# KiCad board nuevo5.kicad_pcb (continued)
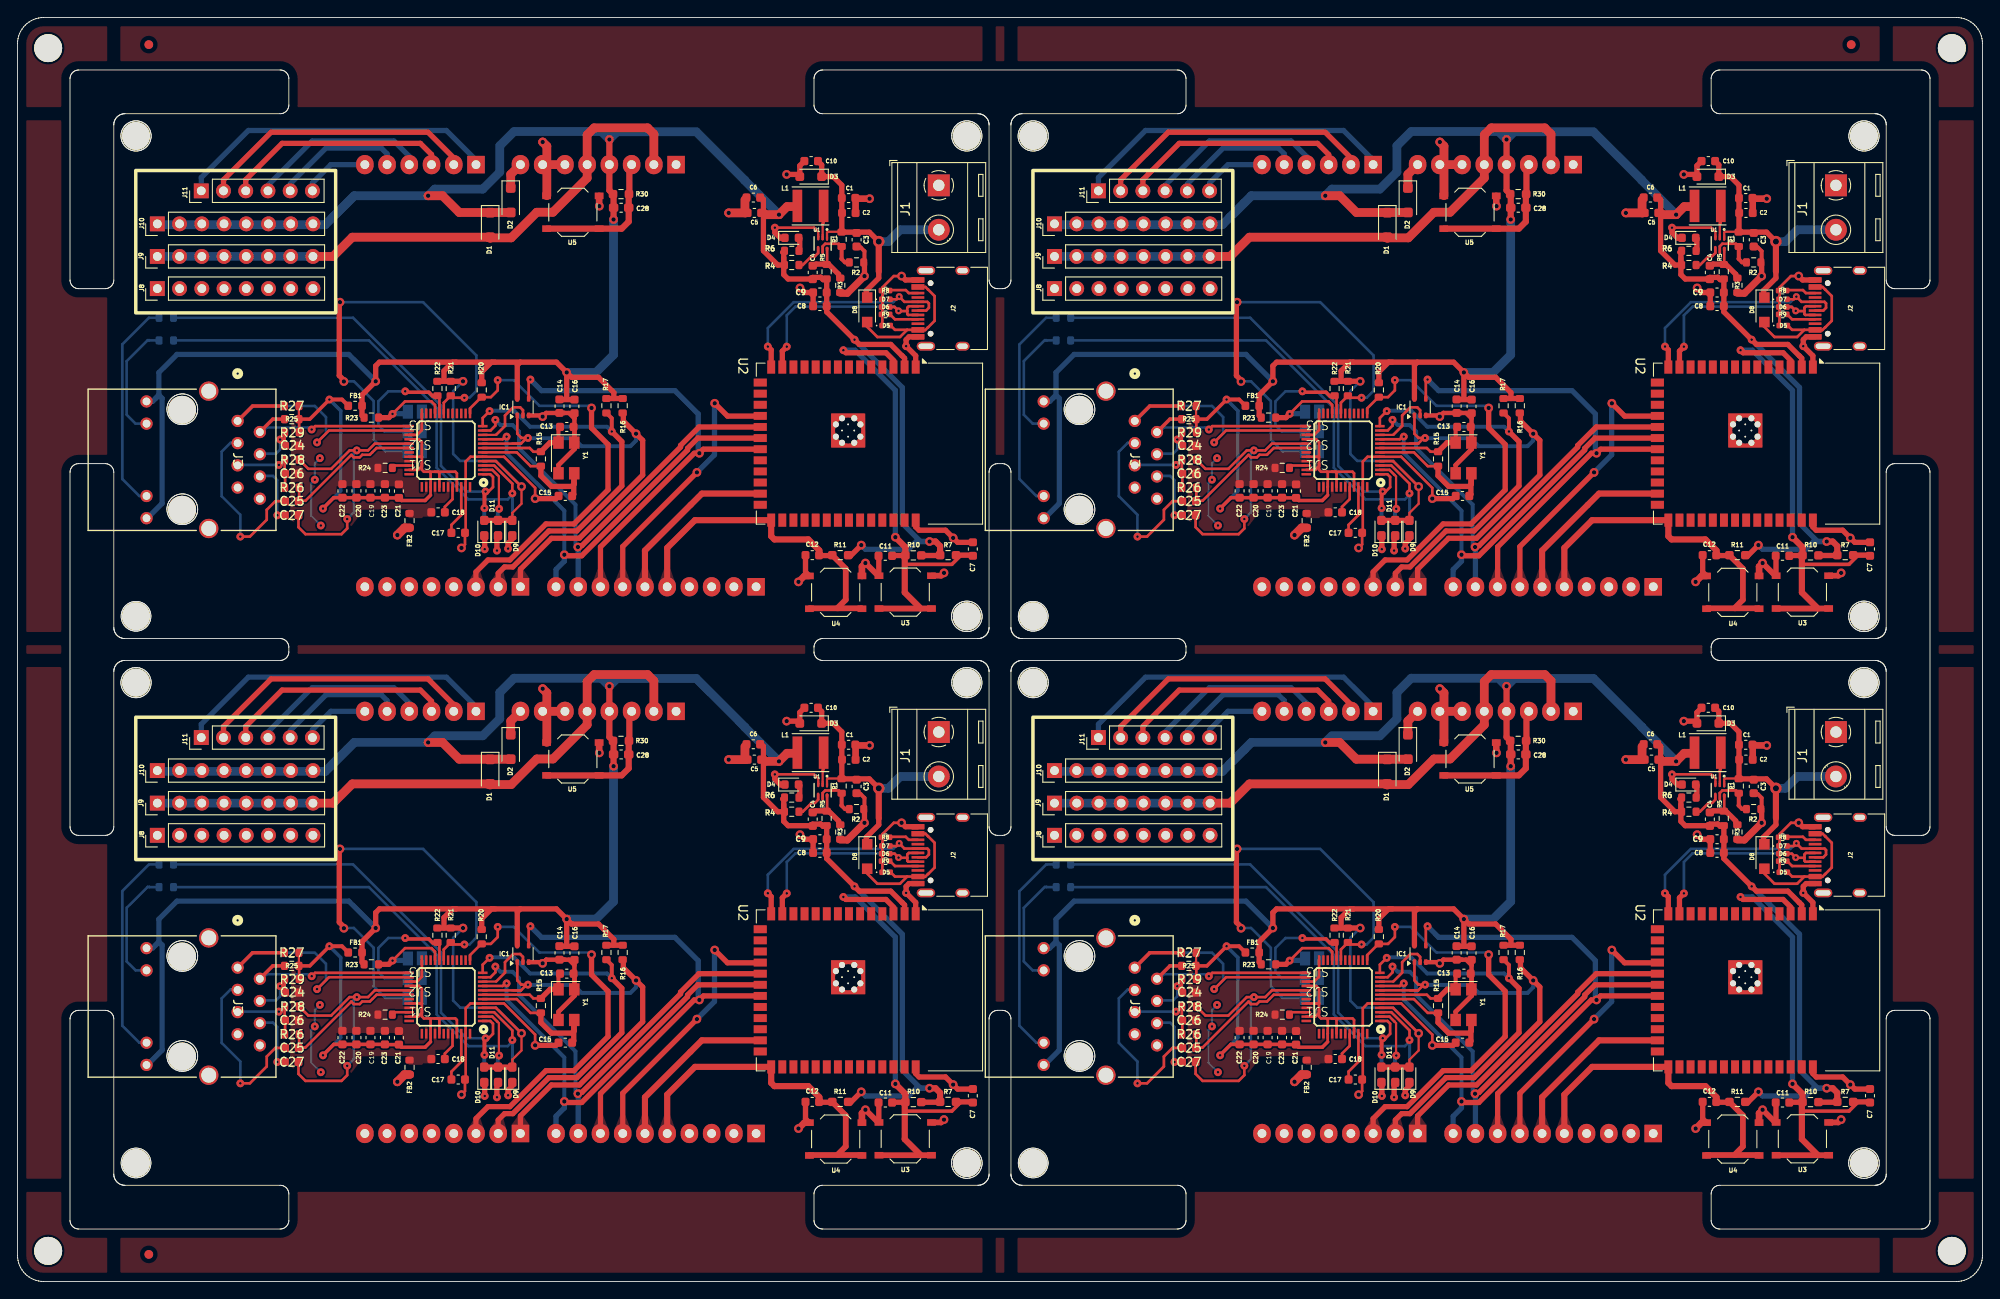
[diagram p0: board, top side]
## Placement (name value [footprint] x y rotation side) (continued)
R23#3  10K  [R_0603_1608Metric]  142.92 98.76 0 top
R23#4  10K  [R_0603_1608Metric]  40.42 36.26 0 top
R24  12.4K  [R_0603_1608Metric]  144.5 30.51 180 top
R24#2  12.4K  [R_0603_1608Metric]  144.5 93.01 180 top
R24#3  12.4K  [R_0603_1608Metric]  42 93.01 180 top
R24#4  12.4K  [R_0603_1608Metric]  42 30.51 180 top
R25  49.9  [R_0603_1608Metric]  31.33 98.58 0 top
R25#2  49.9  [R_0603_1608Metric]  31.33 36.08 0 top
R25#3  49.9  [R_0603_1608Metric]  133.83 36.08 0 top
R25#4  49.9  [R_0603_1608Metric]  133.83 98.58 0 top
R26  49.9  [R_0603_1608Metric]  133.85 28.25 0 top
R26#2  49.9  [R_0603_1608Metric]  133.85 90.75 0 top
R26#3  49.9  [R_0603_1608Metric]  31.35 28.25 0 top
R26#4  49.9  [R_0603_1608Metric]  31.35 90.75 0 top
R27  49.9  [R_0603_1608Metric]  133.83 100.08 0 top
R27#2  49.9  [R_0603_1608Metric]  31.33 100.08 0 top
R27#3  49.9  [R_0603_1608Metric]  31.33 37.58 0 top
R27#4  49.9  [R_0603_1608Metric]  133.83 37.58 0 top
R28  49.9  [R_0603_1608Metric]  31.35 93.95 0 top
R28#2  49.9  [R_0603_1608Metric]  31.35 31.45 0 top
R28#3  49.9  [R_0603_1608Metric]  133.85 93.95 0 top
R28#4  49.9  [R_0603_1608Metric]  133.85 31.45 0 top
R29  10  [R_0603_1608Metric]  31.35 97.08 0 top
R29#2  10  [R_0603_1608Metric]  133.85 97.08 0 top
R29#3  10  [R_0603_1608Metric]  133.85 34.58 0 top
R29#4  10  [R_0603_1608Metric]  31.35 34.58 0 top
R30  10K  [R_0603_1608Metric_Pad0.98x0.95mm_HandSolder]  171.45 124.31 180 top
R30#2  10K  [R_0603_1608Metric_Pad0.98x0.95mm_HandSolder]  68.95 124.31 180 top
R30#3  10K  [R_0603_1608Metric_Pad0.98x0.95mm_HandSolder]  171.45 61.81 180 top
R30#4  10K  [R_0603_1608Metric_Pad0.98x0.95mm_HandSolder]  68.95 61.81 180 top
SJ1  SOLDERJUMPERREFLOW_NOPASTE  [Jumper]  43.8 93.96 180 top
SJ1#2  SOLDERJUMPERREFLOW_NOPASTE  [Jumper]  146.3 31.46 180 top
SJ1#3  SOLDERJUMPERREFLOW_NOPASTE  [Jumper]  43.8 31.46 180 top
SJ1#4  SOLDERJUMPERREFLOW_NOPASTE  [Jumper]  146.3 93.96 180 top
SJ2  SOLDERJUMPERREFLOW_NOPASTE  [Jumper]  43.8 96.24 180 top
SJ2#2  SOLDERJUMPERREFLOW_NOPASTE  [Jumper]  43.8 33.74 180 top
SJ2#3  SOLDERJUMPERREFLOW_NOPASTE  [Jumper]  146.3 96.24 180 top
SJ2#4  SOLDERJUMPERREFLOW_NOPASTE  [Jumper]  146.3 33.74 180 top
SJ3  SOLDERJUMPERREFLOW_NOPASTE  [Jumper]  146.33 98.49 180 top
SJ3#2  SOLDERJUMPERREFLOW_NOPASTE  [Jumper]  146.33 35.99 180 top
SJ3#3  SOLDERJUMPERREFLOW_NOPASTE  [Jumper]  43.83 98.49 180 top
SJ3#4  SOLDERJUMPERREFLOW_NOPASTE  [Jumper]  43.83 35.99 180 top
U1  TPS563252DRLR  [SOT6_DRL_TEX-L]  91.99 118.66 270 top
U1#2  TPS563252DRLR  [SOT6_DRL_TEX-L]  91.99 56.16 270 top
U1#3  TPS563252DRLR  [SOT6_DRL_TEX-L]  194.49 56.16 270 top
U1#4  TPS563252DRLR  [SOT6_DRL_TEX-L]  194.49 118.66 270 top
U2  -  [ESP32-S3-WROOM-1]  97.36 95.78 270 top
U2#2  -  [ESP32-S3-WROOM-1]  97.36 33.28 270 top
U2#3  -  [ESP32-S3-WROOM-1]  199.86 95.78 270 top
U2#4  -  [ESP32-S3-WROOM-1]  199.86 33.28 270 top
U3  SWITCH  [SW_Push_1P1T_XKB_TS-1187A]  101.42 16.31 0 top
U3#2  SWITCH  [SW_Push_1P1T_XKB_TS-1187A]  203.92 78.81 0 top
U3#3  SWITCH  [SW_Push_1P1T_XKB_TS-1187A]  101.42 78.81 0 top
U3#4  SWITCH  [SW_Push_1P1T_XKB_TS-1187A]  203.92 16.31 0 top
U4  SWITCH  [SW_Push_1P1T_XKB_TS-1187A]  93.48 78.78 0 top
U4#2  SWITCH  [SW_Push_1P1T_XKB_TS-1187A]  195.97 16.28 0 top
U4#3  SWITCH  [SW_Push_1P1T_XKB_TS-1187A]  195.97 78.78 0 top
U4#4  SWITCH  [SW_Push_1P1T_XKB_TS-1187A]  93.48 16.28 0 top
U5  SWITCH  [SW_Push_1P1T_XKB_TS-1187A]  63.45 59.73 180 top
U5#2  SWITCH  [SW_Push_1P1T_XKB_TS-1187A]  165.95 122.23 180 top
U5#3  SWITCH  [SW_Push_1P1T_XKB_TS-1187A]  165.95 59.73 180 top
U5#4  SWITCH  [SW_Push_1P1T_XKB_TS-1187A]  63.45 122.23 180 top
U$1  -  [W5500]  48.95 95.53 180 top
U$1#2  -  [W5500]  48.95 33.03 180 top
U$1#3  -  [W5500]  151.45 33.03 180 top
U$1#4  -  [W5500]  151.45 95.53 180 top
Y1  25MHz  [Crystal_SMD_TXC_7M-4Pin_3.2x2.5mm]  62.6 32.1 270 top
Y1#2  25MHz  [Crystal_SMD_TXC_7M-4Pin_3.2x2.5mm]  165.1 94.6 270 top
Y1#3  25MHz  [Crystal_SMD_TXC_7M-4Pin_3.2x2.5mm]  62.6 94.6 270 top
Y1#4  25MHz  [Crystal_SMD_TXC_7M-4Pin_3.2x2.5mm]  165.1 32.1 270 top

## Library data of the parts
C1 C1#2-C1#4 C2 C2#2-C2#4 = -: Datasheet: https://mm.digikey.com/Volume0/opasdata/d220001/medias/docus/43/CL10X106MO8NRNC_Spec.pdf; Description: Unpolarized capacitor, small symbol; PartNumber: CL10X106MO8NRNC; PurchaseLink: https://www.digikey.com/en/products/detail/samsung-electro-mechanics/CL10X106MO8NRNC/5961253
C3 C3#2-C3#4 C6 C6#2-C6#4 = -: Datasheet: https://www.yageo.com/en/Chart/Download/pdf/CC0603KRX7R7BB104; Description: Unpolarized capacitor, small symbol; PartNumber: CC0603KRX7R7BB104; PurchaseLink: https://www.digikey.com/en/products/detail/yageo/CC0603KRX7R7BB104/302822
C4 C4#2-C4#4 = -: Datasheet: https://content.kemet.com/datasheets/KEM_C1007_X8R_ULTRA_150C_SMD.pdf; Description: Unpolarized capacitor, small symbol; PartNumber: C0603C560M3HACTU; PurchaseLink: https://www.digikey.com/en/products/detail/kemet/C0603C560M3HACTU/7947100
C5 C5#2-C5#4 = -: Datasheet: https://mm.digikey.com/Volume0/opasdata/d220001/medias/docus/339/CL21A226MAYNNNE_Spec.pdf; Description: Unpolarized capacitor, small symbol; PartNumber: GRM188R61A226ME15D; PurchaseLink: https://www.digikey.com/en/products/detail/murata-electronics/GRM188R61A226ME15D/5027561
C7 C7#2-C7#4 C9 C9#2-C9#4 C10 C10#2-C10#4 C11 C11#2-C11#4 C12 C12#2-C12#4 = -: Datasheet: https://mm.digikey.com/Volume0/opasdata/d220001/medias/docus/43/CL10X106MO8NRNC_Spec.pdf; Description: Unpolarized capacitor; PartNumber: CL10X106MO8NRNC; PurchaseLink: https://www.digikey.com/en/products/detail/samsung-electro-mechanics/CL10X106MO8NRNC/5961253
C8 C8#2-C8#4 = -: Datasheet: https://www.yageo.com/en/Chart/Download/pdf/CC0603KRX7R7BB104; Description: Unpolarized capacitor; PartNumber: CC0603KRX7R7BB104; PurchaseLink: https://www.digikey.com/en/products/detail/yageo/CC0603KRX7R7BB104/302822
C13 C13#2-C13#4 C15 C15#2-C15#4 = -: Datasheet: https://www.yageo.com/upload/media/product/productsearch/datasheet/mlcc/UPY-GP_NP0_16V-to-50V_18.pdf; PartNumber: C0603C220K4GACTU; PurchaseLink: https://www.digikey.com/en/products/detail/kemet/C0603C220K4GACTU/2200194
C14 C14#2-C14#4 C18 C18#2-C18#4 C23 C23#2-C23#4 = -: Datasheet: https://mm.digikey.com/Volume0/opasdata/d220001/medias/docus/43/CL10X106MO8NRNC_Spec.pdf; PartNumber: CL10X106MO8NRNC; PurchaseLink: https://www.digikey.com/en/products/detail/samsung-electro-mechanics/CL10X106MO8NRNC/5961253
C16 C16#2-C16#4 C17 C17#2-C17#4 C19 C19#2-C19#4 C20 C20#2-C20#4 C21 C21#2-C21#4 C22 C22#2-C22#4 = -: Datasheet: https://www.yageo.com/en/Chart/Download/pdf/CC0603KRX7R7BB104; PartNumber: CC0603KRX7R7BB104; PurchaseLink: https://www.digikey.com/en/products/detail/yageo/CC0603KRX7R7BB104/302822
C24 C24#2-C24#4 C26 C26#2-C26#4 = -: Datasheet: https://content.kemet.com/datasheets/KEM_C1090_X7R_ESD.pdf; PartNumber: C0603C103K4RECTU; PurchaseLink: https://www.digikey.de/en/products/detail/kemet/C0603C103K4RECTU/8643658
C25 C25#2-C25#4 C27 C27#2-C27#4 = -: Datasheet: https://datasheets.kyocera-avx.com/KGM_X7R.pdf; PartNumber: KGM15AR71C682KT; PurchaseLink: https://www.digikey.com/en/products/detail/kyocera-avx/KGM15AR71C682KT/1600629
C28 C28#2-C28#4 = -: Datasheet: https://search.murata.co.jp/Ceramy/image/img/A01X/G101/ENG/GRM1885C1H102JA01-01.pdf; Description: Unpolarized capacitor, small symbol; PartNumber: GRM1885C1H102JA01D; PurchaseLink: https://www.digikey.com/en/products/detail/murata-electronics/GRM1885C1H102JA01D/586943
D1 D1#2-D1#4 D2 D2#2-D2#4 = -: Datasheet: https://www.smc-diodes.com/propdf/DSS12U%20THRU%20DSS125U%20N1873%20REV.A.pdf; Description: Schottky diode, small symbol, filled shape; PurchaseLink: https://www.digikey.com/en/products/detail/smc-diode-solutions/DSS14U/8341859
D3 D3#2-D3#4 = -: Datasheet: https://www.diodes.com/assets/Datasheets/SD12C.pdf; Description: 12V, 450W Discrete Bidirectional TVS Diode, SOD-323; PurchaseLink: https://www.digikey.com/en/products/detail/diodes-incorporated/SD12C-7/10295728
D4 D4#2-D4#4 D9 D9#2-D9#4 D10 D10#2-D10#4 D11 D11#2-D11#4 = -: Datasheet: https://mm.digikey.com/Volume0/opasdata/d220001/medias/docus/3633/B1931NG--20D001114U1930.pdf; Description: Light emitting diode, small symbol, filled shape; PartNumber: B1931NG--20D001114U1930; PurchaseLink: https://www.digikey.com/en/products/detail/harvatek-corporation/B1931NG-20D001114U1930/15861262
D5 D5#2-D5#4 D6 D6#2-D6#4 D7 D7#2-D7#4 = -: Datasheet: https://www.onsemi.cn/pdf/datasheet/esd9b-d.pdf; Description: Bidirectional transient-voltage-suppression diode, filled shape; PartNumber: ESD9B5.0ST5G; PurchaseLink: https://www.digikey.com/en/products/detail/onsemi/ESD9B5-0ST5G/1646449
D8 D8#2-D8#4 = -: Datasheet: https://mm.digikey.com/Volume0/opasdata/d220001/medias/docus/6778/5399_1N5819WS%20SOD-323.PDF; Description: 40V 1A Schottky Barrier Rectifier Diode, DO-41; PartNumber: 1N5819WS; PurchaseLink: https://www.digikey.com/en/products/detail/shenzhen-slkormicro-semicon-co-ltd/1N5819WS/26112850?s=N4IgTCBcDaIIwDkCsAOOBOEBdAvkA
FB1 FB1#2-FB1#4 FB2 FB2#2-FB2#4 = -: Datasheet: https://www.bourns.com/docs/Product-Datasheets/mh.pdf; PartNumber: MH1608-121Y; PurchaseLink: https://www.digikey.de/en/products/detail/bourns-inc/mh1608-121y/2563311
IC1 IC1#2-IC1#4 = -: Datasheet: https://assets.nexperia.com/documents/data-sheet/74AHC_AHCT1G125.pdf; Description: Buffer, Non-Inverting 1 Element 1 Bit per Element 3-State Output SC-74A; NumPart: 1727-6018-2-ND; PartNumber: SN74AHC1G125DCKR; PurchaseLink: https://www.digikey.de/en/products/detail/texas-instruments/SN74AHC1G125DCKR/373804
J1 J1#2-J1#4 = -: Datasheet: http://www.anytek.com.tw/UserUpFiles/20180427/zGOy9cvjk1f5.pdf; Description: Generic screw terminal, single row, 01x02, script generated (kicad-library-utils/schlib/autogen/connector/); PartNumber: VI0221520000G; PurchaseLink: https://www.digikey.com/en/products/detail/amphenol-anytek/VI0221520000G/2261274
J2 J2#2-J2#4 = -: Datasheet: https://mm.digikey.com/Volume0/opasdata/d220001/medias/docus/5492/USB4105.pdf; Description: USB-C (USB TYPE-C) USB 3.2 Gen 1 (USB 3.1 Gen 1, Superspeed (USB 3.0)), USB 3.2 Gen 2 (USB 3.1 Gen 2, Superspeed+ (USB 3.1)) Receptacle Connector 16 Position Surface Mount, Right Angle; Through Hole; PartNumber: USB4105-GF-A; PurchaseLink: https://www.digikey.com/en/products/detail/gct/USB4105-GF-A/11198441
J3 J3#2-J3#4 = -: Datasheet: https://abracon.com/Magnetics/ARJM11.pdf; Description: 1 Port RJ45 Magjack Connector Through Hole 10/100 Base-T, AutoMDIX; PartNumber: ARJM11B1-009-AB-EW2; PurchaseLink: https://www.digikey.com/en/products/detail/abracon-llc/ARJM11B1-009-AB-EW2/7675231
J8 J8#2-J8#4 J9 J9#2-J9#4 J10 J10#2-J10#4 = -: Description: Generic connector, single row, 01x08, script generated (kicad-library-utils/schlib/autogen/connector/)
L1 L1#2-L1#4 = -: Datasheet: https://mm.digikey.com/Volume0/opasdata/d220001/medias/docus/2516/CIGT201610EH2R2MNE_Spec.pdf; Description: Inductor; PartNumber: PA4332.222NLT; PurchaseLink: https://www.digikey.com/en/products/detail/pulse-electronics/PA4332-222NLT/5878996
R1 R1#2-R1#4 = -: Datasheet: https://www.yageo.com/upload/media/product/app/datasheet/rchip/pyu-sr_20105_rohs_l.pdf; Description: Resistor, small symbol; PartNumber: SR0603FR-7T100KL; PurchaseLink: https://www.digikey.com/en/products/detail/yageo/SR0603FR-7T100KL/9373095
R2 R2#2-R2#4 = -: Datasheet: https://www.vishay.com/docs/20065/rcse3.pdf; Description: Resistor, small symbol; PartNumber: RCS060332K4FKEA; PurchaseLink: https://www.digikey.com/en/products/detail/vishay-dale/RCS060332K4FKEA/5868645
R3 R3#2-R3#4 R4 R4#2-R4#4 R30 R30#2-R30#4 = -: Datasheet: https://www.vishay.com/docs/20065/rcse3.pdf; Description: Resistor, small symbol; PartNumber: RCS060310K0JNEA; PurchaseLink: https://www.digikey.com/en/products/detail/vishay-dale/RCS060310K0JNEA/5866963?s=N4IgTCBcDaIKwBYCMBaMAOJB2FqByAIiALoC%2BQA
R5 R5#2-R5#4 = -: Datasheet: https://www.vishay.com/docs/20065/rcse3.pdf; Description: Resistor, small symbol; PartNumber: RCS0603220KFKEA; PurchaseLink: https://www.digikey.com/en/products/detail/vishay-dale/RCS0603220KFKEA/5868737
R6 R6#2-R6#4 R7 R7#2-R7#4 R10 R10#2-R10#4 R11 R11#2-R11#4 R12 R12#2-R12#4 R13 R13#2-R13#4 R14 R14#2-R14#4 = -: Datasheet: https://www.vishay.com/docs/20065/rcse3.pdf; Description: Resistor, small symbol; PartNumber: RCS06031K00FKEA; PurchaseLink: https://www.digikey.com/en/products/detail/vishay-dale/RCS06031K00FKEA/5866934
R8 R8#2-R8#4 = -: Datasheet: https://industrial.panasonic.com/cdbs/www-data/pdf/RDO0000/AOA0000C331.pdf; Description: Resistor; NumPart: ERJ-PA2F5101X; PurchaseLink: https://www.digikey.com/en/products/detail/panasonic-electronic-components/ERJ-PA2F5101X/9815254; LinkPart: https://www.digikey.com/en/products/detail/panasonic-electronic-components/ERJ-PA2F5101X/9815254; PartNumber: ERJ-PA2F5101X
R9 R9#2-R9#4 = -: Datasheet: https://industrial.panasonic.com/cdbs/www-data/pdf/RDO0000/AOA0000C331.pdf; Description: 5.1 kOhms ±1% 0.25W, 1/4W Chip Resistor 0402 (1005 Metric); NumPart: ERJ-PA2F5101X; PurchaseLink: https://www.digikey.com/en/products/detail/panasonic-electronic-components/ERJ-PA2F5101X/9815254; LinkPart: https://www.digikey.com/en/products/detail/panasonic-electronic-components/ERJ-PA2F5101X/9815254; PartNumber: ERJ-PA2F5101X
R15 R15#2-R15#4 = -: Datasheet: https://www.vishay.com/docs/20065/rcse3.pdf; PartNumber: RCS06031M00FKEA; PurchaseLink: https://www.digikey.de/en/products/detail/koa-speer-electronics-inc/RK73B2ATTD105J/10235908
R16 R16#2-R16#4 R17 R17#2-R17#4 R21 R21#2-R21#4 R22 R22#2-R22#4 R23 R23#2-R23#4 = -: Datasheet: https://www.vishay.com/docs/20065/rcse3.pdf; PartNumber: RCS060310K0JNEA; PurchaseLink: https://www.digikey.com/en/products/detail/vishay-dale/RCS060310K0JNEA/5866963?s=N4IgTCBcDaIKwBYCMBaMAOJB2FqByAIiALoC%2BQA
R18 R18#2-R18#4 R19 R19#2-R19#4 = -: Datasheet: https://www.vishay.com/docs/20065/rcse3.pdf; PartNumber: CRGP0603F470R; PurchaseLink: https://www.digikey.com/en/products/detail/te-connectivity-passive-product/CRGP0603F470R/8577014
R20 R20#2-R20#4 = -: Datasheet: https://www.vishay.com/docs/20065/rcse3.pdf; Description: Resistor; PartNumber: RCS060310K0JNEA; PurchaseLink: https://www.digikey.com/en/products/detail/vishay-dale/RCS060310K0JNEA/5866963?s=N4IgTCBcDaIKwBYCMBaMAOJB2FqByAIiALoC%2BQA
R24 R24#2-R24#4 = -: Datasheet: https://www.vishay.com/docs/20065/rcse3.pdf; PartNumber: RCS060312K4FKEA; PurchaseLink: https://www.digikey.de/en/products/detail/vishay-dale/RCS060312K4FKEA/5868602
R25 R25#2-R25#4 R26 R26#2-R26#4 R27 R27#2-R27#4 R28 R28#2-R28#4 = -: Datasheet: https://www.vishay.com/docs/20065/rcse3.pdf; PartNumber: RCS060349R9FKEA; PurchaseLink: https://www.digikey.de/en/products/detail/vishay-dale/RCS060349R9FKEA/5866930
R29 R29#2-R29#4 = -: Datasheet: https://www.vishay.com/docs/20065/rcse3.pdf; PartNumber: RCS060310R0FKEA; PurchaseLink: https://www.digikey.de/en/products/detail/vishay-dale/RCS060310R0FKEA/5866927
SJ1 SJ1#2-SJ1#4 SJ2 SJ2#2-SJ2#4 SJ3 SJ3#2-SJ3#4 = -: Description: Solder Jumper, 2-pole, open
U1 U1#2-U1#4 = -: Datasheet: https://www.ti.com/lit/ds/symlink/tps563252.pdf; PurchaseLink: https://www.digikey.com/en/products/detail/texas-instruments/TPS563252DRLR/20415402
U2 U2#2-U2#4 = -: Datasheet: https://www.espressif.com/sites/default/files/documentation/esp32-s3-wroom-1_wroom-1u_datasheet_en.pdf; Description: WiFi 802.11a/b/g/n, Bluetooth v5.0 Transceiver Module 2.4GHz PCB Trace; PartNumber: ESP32-S3-WROOM-1-N8; PurchaseLink: https://www.digikey.de/en/products/detail/espressif-systems/ESP32-S3-WROOM-1-N8/15200089
U3 U3#2-U3#4 U4 U4#2-U4#4 = -: Datasheet: https://www.ckswitches.com/media/2780/pts526.pdf; Description: PTS645SM43SMTR92LFS; PartNumber: PTS526SK15SMTR2 LFS; PurchaseLink: https://www.digikey.com/en/products/detail/c-k/PTS526SK15SMTR2-LFS/10056626
U5 U5#2-U5#4 = -: Datasheet: https://www.ckswitches.com/media/2780/pts526.pdf; Description: PTS526SK15SMTR2 LFS; PartNumber: PTS526SK15SMTR2 LFS; PurchaseLink: https://www.digikey.com/en/products/detail/c-k/PTS526SK15SMTR2-LFS/10056626
U$1 U$1#2-U$1#4 = -: Datasheet: https://docs.wiznet.io/img/products/w5500/W5500_ds_v110e.pdf; Description: Ethernet Controller 10/100 Base-T/TX PHY SPI Interface 48-LQFP (7x7); PurchaseLink: https://www.digikey.com/en/products/detail/wiznet/W5500/4425702
Y1 Y1#2-Y1#4 = -: Datasheet: https://abracon.com/Resonators/abm3b.pdf; Description: CRYSTAL 25MHZ -40 ~ +85C 22PF; NumPart: 3305-3225S42500BMDAODGEE-TR-ND; PartNumber: ABM3B-25.000MHZ-22-E-4-H-T; PurchaseLink: https://www.digikey.de/en/products/detail/hkc/3225S42500BMDAODGEE-TR/15292356?https://www.digikey.com/en/products/detail/abracon-llc/ABM3B-25-000MHZ-22-E-4-H-T/8582001

## Footprints (pads in the part's own frame, mm; a bottom-side part is the same pattern mirrored in y, then rotated)
C_0603_1608Metric
  rrect 0.9x0.95 smd: 1(-0.775,0) 2(0.775,0)
C_0603_1608Metric_Pad1.08x0.95mm_HandSolder
  rrect 1.075x0.95 smd: 1(-0.863,0) 2(0.863,0)
CONN12_ARJM11B1-009-AB-EW2_ABR
  round 3.2 hole 3.2 unplated: (-5.715,0) (5.715,0)
  round 1.397 hole 0.889: 1(-4.445,6.35) 2(-3.175,8.89) 3(-1.905,6.35) 4(-0.635,8.89) 5(0.635,6.35) 6(1.905,8.89) 7(3.175,6.35) 8(4.445,8.89) 9(-6.675,-4.06) 10(-4.135,-4.06) 11(4.135,-4.06) 12(6.675,-4.06)
  round 2.21 hole 1.702: 13(-7.85,3.05) 14(7.85,3.05)
Crystal_SMD_TXC_7M-4Pin_3.2x2.5mm
  rect 1.4x1.2 smd: 1(-1.3,-0.8) 2(2.2,-0.8) 3(2.2,1) 4(-1.3,1)
D_0402_1005Metric
  rrect 0.59x0.64 smd: 1(-0.485,0) 2(0.485,0)
D_SOD-123F
  rrect 1.1x1.1 smd: 1(-1.4,0) 2(1.4,0)
D_SOD-323_HandSoldering
  rrect 1x1 smd: 1(-1.25,0) 2(1.25,0)
ESP32-S3-WROOM-1
  rect 0.9x0.9 smd: (-2.9,-1.06) (-2.9,-2.46) (-2.9,-3.86) (-1.5,-1.06) (-1.5,-2.46) (-1.5,-3.86) (-0.1,-1.06) (-0.1,-2.46) (-0.1,-3.86)
  rect 1.5x0.9 smd: 1(-8.75,5.26) 2(-8.75,3.99) 3(-8.75,2.72) 4(-8.75,1.45) 5(-8.75,0.18) 6(-8.75,-1.09) 7(-8.75,-2.36) 8(-8.75,-3.63) 9(-8.75,-4.9) 10(-8.75,-6.17) 11(-8.75,-7.44) 12(-8.75,-8.71) 13(-8.75,-9.98) 14(-8.75,-11.25) 27(8.75,-11.25) 28(8.75,-9.98) 29(8.75,-8.71) 30(8.75,-7.44) 31(8.75,-6.17) 32(8.75,-4.9) 33(8.75,-3.63) 34(8.75,-2.36) 35(8.75,-1.09) 36(8.75,0.18) 37(8.75,1.45) 38(8.75,2.72) 39(8.75,3.99) 40(8.75,5.26)
  rect 0.9x1.5 smd: 15(-6.985,-12.5) 16(-5.715,-12.5) 17(-4.445,-12.5) 18(-3.175,-12.5) 19(-1.905,-12.5) 20(-0.635,-12.5) 21(0.635,-12.5) 22(1.905,-12.5) 23(3.175,-12.5) 24(4.445,-12.5) 25(5.715,-12.5) 26(6.985,-12.5)
  round 1 hole 0.7: 41(-2.9,-1.76) 41(-2.9,-3.16) 41(-2.2,-1.06) 41(-2.2,-3.86) 41(-0.8,-1.06) 41(-0.8,-3.86) 41(-0.1,-1.76) 41(-0.1,-3.16)
  round 0.6 hole 0.2: 41(-2.2,-2.46) 41(-1.5,-1.76) 41(-1.5,-3.16) 41(-0.8,-2.46)
  rect 3.9x3.9 smd: 41(-1.5,-2.46)
Fiducial
  round 1 smd: (0,0)
IND_PA4332.222NLT
  rect 1.1x3.7 smd: 1(-1.5,0) 2(1.5,0)
Jumper
  rect 1.168x1.6 smd far side: 1(-0.776,-0.942) 2(-2.376,-0.954)
L_0603_1608Metric
  rrect 0.875x0.95 smd: 1(-0.787,0) 2(0.787,0)
LED_0603_1608Metric
  rrect 0.875x0.95 smd: 1(-0.787,0) 2(0.787,0)
LED_0603_1608Metric_Pad1.05x0.95mm_HandSolder
  rrect 1.05x0.95 smd: 1(-0.875,0) 2(0.875,0)
MountingHole_3.2mm
  round 3.2 hole 3.2 unplated: (0,0)
Nexperia_CFP3_SOD-123W
  rect 1.2x1.2 smd: 1(-1.4,0) 2(1.4,0)
NPTH
  round 3.2 hole 3.2 unplated: (0,0)
PinHeader_1x06_P2.54mm_Vertical
  rect 1.7x1.7 hole 1: 1(0,0)
  oval 1.7x1.7 hole 1: 2(0,-2.54) 3(0,-5.08) 4(0,-7.62) 5(0,-10.16) 6(0,-12.7)
PinHeader_1x06_P2.54mm_Vertical#2
  rect 2x2 hole 1: 1(0,0)
  oval 2.2x2 hole 1: 2(0,-2.54) 3(0,-5.08) 4(0,-7.62) 5(0,-10.16) 6(0,-12.7)
PinHeader_1x08_P2.54mm_Vertical
  rect 1.7x1.7 hole 1: 1(0,0)
  oval 1.7x1.7 hole 1: 2(0,-2.54) 3(0,-5.08) 4(0,-7.62) 5(0,-10.16) 6(0,-12.7) 7(0,-15.24) 8(0,-17.78)
PinHeader_1x08_P2.54mm_Vertical#2
  rect 2x2 hole 1: 1(0,0)
  oval 2.2x2 hole 1: 2(0,-2.54) 3(0,-5.08) 4(0,-7.62) 5(0,-10.16) 6(0,-12.7) 7(0,-15.24) 8(0,-17.78)
PinHeader_1x10_P2.54mm_Vertical
  rect 2x2 hole 1: 1(0,0)
  oval 2.2x2 hole 1: 2(0,-2.54) 3(0,-5.08) 4(0,-7.62) 5(0,-10.16) 6(0,-12.7) 7(0,-15.24) 8(0,-17.78) 9(0,-20.32) 10(0,-22.86)
R_0402_1005Metric
  rrect 0.54x0.64 smd: 1(-0.51,0) 2(0.51,0)
R_0603_1608Metric
  rrect 0.8x0.95 smd: 1(-0.825,0) 2(0.825,0)
R_0603_1608Metric_Pad0.98x0.95mm_HandSolder
  rrect 0.975x0.95 smd: 1(-0.912,0) 2(0.912,0)
SOT6_DRL_TEX-L
  rect 0.61x0.229 smd: 1(-0.749,0.5) 2(-0.749,0) 3(-0.749,-0.5) 4(0.749,-0.5) 5(0.749,0) 6(0.749,0.5)
SOT-353_SC-70-5
  rrect 0.65x0.4 smd: 1(-0.95,0.65) 2(-0.95,0) 3(-0.95,-0.65) 4(0.95,-0.65) 5(0.95,0.65)
SW_Push_1P1T_XKB_TS-1187A
  rect 1x0.75 smd: 1(-3,1.875) 1(3,1.875) 2(-3,-1.875) 2(3,-1.875)
TerminalBlock_RND_205-00287_1x02_P5.08mm_Horizontal
  rect 2.5x2.5 hole 1.3: 1(0,0)
  round 2.5 hole 1.3: 2(5.08,0)
USB_C_Receptacle_HRO_TYPE-C-31-M-12
  round 0.65 hole 0.7 unplated: (-2.89,2.6) (2.89,2.6)
  rect 0.6x1.45 smd: A1(-3.25,4.045) A4(-2.45,4.045) A9(2.45,4.045) A12(3.25,4.045) B1(3.25,4.045) B4(2.45,4.045) B9(-2.45,4.045) B12(-3.25,4.045)
  rect 0.3x1.45 smd: A5(-1.25,4.045) A6(-0.25,4.045) A7(0.25,4.045) A8(1.25,4.045) B5(1.75,4.045) B6(0.75,4.045) B7(-0.75,4.045) B8(-1.75,4.045)
  oval 1x2.1 hole 0.6x1.7: S1(-4.32,3.13) S1(4.32,3.13)
  oval 1x1.6 hole 0.6x1.2: S1(-4.32,-1.05) S1(4.32,-1.05)
W5500
  rect 1.1x0.285 smd: 1(4.2,-2.25) 2(4.2,-1.75) 3(4.2,-1.25) 4(4.2,-0.75) 5(4.2,-0.25) 6(4.2,0.25) 7(4.2,0.75) 8(4.2,1.25) 9(4.2,1.75) 10(4.2,2.25) 11(4.2,2.75) 12(4.2,3.25) 25(-4.2,3.25) 26(-4.2,2.75) 27(-4.2,2.25) 28(-4.2,1.75) 29(-4.2,1.25) 30(-4.2,0.75) 31(-4.2,0.25) 32(-4.2,-0.25) 33(-4.2,-0.75) 34(-4.2,-1.25) 35(-4.2,-1.75) 36(-4.2,-2.25)
  rect 0.285x1.1 smd: 13(2.75,4.7) 14(2.25,4.7) 15(1.75,4.7) 16(1.25,4.7) 17(0.75,4.7) 18(0.25,4.7) 19(-0.25,4.7) 20(-0.75,4.7) 21(-1.25,4.7) 22(-1.75,4.7) 23(-2.25,4.7) 24(-2.75,4.7) 37(-2.75,-3.7) 38(-2.25,-3.7) 39(-1.75,-3.7) 40(-1.25,-3.7) 41(-0.75,-3.7) 42(-0.25,-3.7) 43(0.25,-3.7) 44(0.75,-3.7) 45(1.25,-3.7) 46(1.75,-3.7) 47(2.25,-3.7)
  rect 0.28x1.1 smd: 48(2.75,-3.7)

## Nets
Board_0-+3V3: C4.2 C5#3.1 C6#2.1 C8#3.1 C9#4.1 C14#3.1 C16.1 C28#2.1 D1.1 D2.2 D9#3.2 D10.2 D11#2.2 FB1#2.1 IC1#4.5 J3.9 J3.12 J4#3.4 J10#2.1 J10#2.2 J10#2.3 J10#2.4 J10#2.5 J10#2.6 J10#2.7 J10#2.8 L1.2 R4#2.2 R5#4.2 R6#4.1 R7#3.2 R10#2.2 R11#3.2 R16#4.2 R17#4.2 R20#4.1 R21#3.1 R22.1 R23#2.1 R30#2.2 U2.2 U$1.28
Board_0-+5V: D1.2 J4#3.2 J4#3.5 J9#2.1 J9#2.2 J9#2.3 J9#2.4 J9#2.5 J9#2.6 J9#2.7 J9#2.8
Board_0-/Archi/CS1: J6.7 U2.18
Board_0-/Archi/MISO: IC1#4.4 J6.8 U2.21
Board_0-/Archi/READY: J6.6 U2.25
Board_0-/Archi/RUN: C28#2.2 J4#3.3 R30#2.1 U5#4.1
Board_0-/Ethernet/ACTLED: R12#3.2 R18#4.2 U$1.27
Board_0-/Ethernet/CS: IC1#4.1 J7#3.1 R16#4.1 U$1.32
Board_0-/Ethernet/DUPLED: R14#3.2 U$1.26
Board_0-/Ethernet/GREENLED: J3.11 R19.1
Board_0-/Ethernet/INTN: J7#3.2 R17#4.1 U$1.36
Board_0-/Ethernet/LINKLED: R13.2 R19.2 U$1.25
Board_0-/Ethernet/MISO: IC1#4.2 U$1.34
Board_0-/Ethernet/MOSI: J6.9 U2.19 U$1.35
Board_0-/Ethernet/RESET: J7#3.3 R20#4.2 U$1.37
Board_0-/Ethernet/RX+: C25.2 R26#4.2 U$1.6
Board_0-/Ethernet/RX-: C27#3.2 R28.2 U$1.5
Board_0-/Ethernet/SCK: J6.10 U2.20 U$1.33
Board_0-/Ethernet/TX+: J3.1 R27#2.1 U$1.2
Board_0-/Ethernet/TX-: J3.2 R25.1 U$1.1
Board_0-/Ethernet/YELLOWLED: J3.10 R18#4.1
Board_0-/MCU-WiFi/CHIP_PU: C7#2.1 C11#2.1 R7#3.1 R10#2.1 U2.3 U3#3.2
Board_0-/MCU-WiFi/D+: D7.2 J2#3.A6 J2#3.B6 U2.14
Board_0-/MCU-WiFi/D-: D6.2 J2#3.A7 J2#3.B7 U2.13
Board_0-/MCU-WiFi/GPIO0: C12.1 J6.5 R11#3.1 U2.27 U4.2
Board_0-AGND: C18.2 C19#3.2 C20#3.2 C21.2 C22#4.2 C23#3.2 C24#2.2 C26#4.2 FB2#4.2 R24#3.2 U$1.3 U$1.9 U$1.14 U$1.16 U$1.19 U$1.48
Board_0-AVDD: C19#3.1 C20#3.1 C21.1 C22#4.1 C23#3.1 FB1#2.2 R25.2 R27#2.2 R29.2 U$1.4 U$1.8 U$1.11 U$1.15 U$1.17 U$1.21
Board_0-GND: C1#2.2 C2#2.2 C3#3.2 C5#3.2 C6#2.2 C7#2.2 C8#3.2 C9#4.2 C10#3.2 C11#2.2 C12.2 C13#3.2 C14#3.2 C15#3.2 C16.2 C17.2 D3#3.2 D4#3.1 D5#3.1 D6.1 D7.1 FB2#4.1 IC1#4.3 J1#2.1 J2#3.A1 J2#3.A12 J2#3.B1 J2#3.B12 J2#3.S1 J3.8 J4#3.6 J4#3.7 J6.4 J8.1 J8.2 J8.3 J8.4 J8.5 J8.6 J8.7 J8.8 R2#4.1 R3#2.1 R8#2.2 R9#3.2 SJ1.2 SJ2.2 SJ3#3.2 U1.3 U2.1 U2.40 U2.41 U3#3.1 U4.1 U5#4.2 U$1.23 U$1.29
Board_0-Net-(D4-A): D4#3.2 R6#4.2
Board_0-Net-(D5-A2): D5#3.2 D8#3.2 J2#3.A4 J2#3.A9 J2#3.B4 J2#3.B9
Board_0-Net-(D9-K): D9#3.1 R12#3.1
Board_0-Net-(D10-K): D10.1 R13.1
Board_0-Net-(D11-K): D11#2.1 R14#3.1
Board_0-Net-(J2-CC1): J2#3.A5 R9#3.1
Board_0-Net-(J2-CC2): J2#3.B5 R8#2.1
Board_0-Net-(J3-RCT): C26#4.1 J3.5 R26#4.1 R28.1
Board_0-Net-(J3-RD+): C25.1 J3.3
Board_0-Net-(J3-RD-): C27#3.1 J3.6
Board_0-Net-(J3-TCT): C24#2.1 J3.4 R29.1
Board_0-Net-(J11-Pin_1): J5#3.1 J11#3.1
Board_0-Net-(J11-Pin_2): J5#3.2 J11#3.2
Board_0-Net-(J11-Pin_3): J5#3.3 J11#3.3
Board_0-Net-(J11-Pin_4): J5#3.4 J11#3.4
Board_0-Net-(J11-Pin_5): J5#3.5 J11#3.5
Board_0-Net-(J11-Pin_6): J5#3.6 J11#3.6
Board_0-Net-(SJ1-A): R21#3.2 SJ1.1 U$1.43
Board_0-Net-(SJ2-A): R22.2 SJ2.1 U$1.44
Board_0-Net-(SJ3-A): R23#2.2 SJ3#3.1 U$1.45
Board_0-Net-(U1-EN): R1#3.1 R2#4.2 U1.5
Board_0-Net-(U1-FB): C4.1 R3#2.2 R5#4.1 U1.6
Board_0-Net-(U1-PG): R4#2.1 U1.4
Board_0-Net-(U1-SW): L1.1 U1.2
Board_0-Net-(U$1-1V20): C17.1 U$1.22
Board_0-Net-(U$1-EXRES1): R24#3.1 U$1.10
Board_0-Net-(U$1-TOCAP): C18.1 U$1.20
Board_0-Net-(U$1-XI/CLKIN): C15#3.1 R15#2.2 U$1.30 Y1#3.2
Board_0-Net-(U$1-XO): C13#3.1 R15#2.1 U$1.31 Y1#3.1
Board_0-unconnected-(J2-SBU1-PadA8): J2#3.A8
Board_0-unconnected-(J2-SBU2-PadB8): J2#3.B8
Board_0-unconnected-(J3-NC-Pad7): J3.7
Board_0-unconnected-(J4-Pin_1-Pad1): J4#3.1
Board_0-unconnected-(J6-Pin_1-Pad1): J6.1
Board_0-unconnected-(J6-Pin_2-Pad2): J6.2
Board_0-unconnected-(J6-Pin_3-Pad3): J6.3
Board_0-unconnected-(J7-Pin_4-Pad4): J7#3.4
Board_0-unconnected-(J7-Pin_5-Pad5): J7#3.5
Board_0-unconnected-(J7-Pin_6-Pad6): J7#3.6
Board_0-unconnected-(J7-Pin_7-Pad7): J7#3.7
Board_0-unconnected-(J7-Pin_8-Pad8): J7#3.8
Board_0-unconnected-(U2-IO1-Pad39): U2.39
Board_0-unconnected-(U2-IO2-Pad38): U2.38
Board_0-unconnected-(U2-IO3-Pad15): U2.15
Board_0-unconnected-(U2-IO4-Pad4): U2.4
Board_0-unconnected-(U2-IO5-Pad5): U2.5
Board_0-unconnected-(U2-IO6-Pad6): U2.6
Board_0-unconnected-(U2-IO7-Pad7): U2.7
Board_0-unconnected-(U2-IO8-Pad12): U2.12
Board_0-unconnected-(U2-IO9-Pad17): U2.17
Board_0-unconnected-(U2-IO14-Pad22): U2.22
Board_0-unconnected-(U2-IO15-Pad8): U2.8
Board_0-unconnected-(U2-IO16-Pad9): U2.9
Board_0-unconnected-(U2-IO17-Pad10): U2.10
Board_0-unconnected-(U2-IO18-Pad11): U2.11
Board_0-unconnected-(U2-IO21-Pad23): U2.23
Board_0-unconnected-(U2-IO35-Pad28): U2.28
Board_0-unconnected-(U2-IO36-Pad29): U2.29
Board_0-unconnected-(U2-IO37-Pad30): U2.30
Board_0-unconnected-(U2-IO38-Pad31): U2.31
Board_0-unconnected-(U2-IO39-Pad32): U2.32
Board_0-unconnected-(U2-IO40-Pad33): U2.33
Board_0-unconnected-(U2-IO41-Pad34): U2.34
Board_0-unconnected-(U2-IO42-Pad35): U2.35
Board_0-unconnected-(U2-IO45-Pad26): U2.26
Board_0-unconnected-(U2-IO46-Pad16): U2.16
Board_0-unconnected-(U2-IO47-Pad24): U2.24
Board_0-unconnected-(U2-RXD0-Pad36): U2.36
Board_0-unconnected-(U2-TXD0-Pad37): U2.37
Board_0-unconnected-(U$1-DNC-Pad7): U$1.7
Board_0-unconnected-(U$1-NC@1-Pad12): U$1.12
Board_0-unconnected-(U$1-NC@2-Pad13): U$1.13
Board_0-unconnected-(U$1-NC@3-Pad46): U$1.46
Board_0-unconnected-(U$1-NC@4-Pad47): U$1.47
Board_0-unconnected-(U$1-RSVD@2-Pad38): U$1.38
Board_0-unconnected-(U$1-RSVD@3-Pad39): U$1.39
Board_0-unconnected-(U$1-RSVD@4-Pad40): U$1.40
Board_0-unconnected-(U$1-RSVD@5-Pad41): U$1.41
Board_0-unconnected-(U$1-RSVD@6-Pad42): U$1.42
Board_0-unconnected-(U$1-SPDLED-Pad24): U$1.24
Board_0-unconnected-(U$1-VBG-Pad18): U$1.18
Board_0-VBAT: C1#2.1 C2#2.1 C3#3.1 C10#3.1 D3#3.1 D8#3.1 J1#2.2 R1#3.2 U1.1
Board_0-VIN: D2.1 J4#3.8
Board_1-+3V3: C4#3.2 C5#4.1 C6#4.1 C8#2.1 C9#2.1 C14#4.1 C16#2.1 C28#4.1 D1#4.1 D2#2.2 D9#4.2 D10#3.2 D11.2 FB1#3.1 IC1.5 J3#3.9 J3#3.12 J4.4 J10#4.1 J10#4.2 J10#4.3 J10#4.4 J10#4.5 J10#4.6 J10#4.7 J10#4.8 L1#3.2 R4#4.2 R5#3.2 R6#3.1 R7.2 R10#4.2 R11#2.2 R16.2 R17#3.2 R20#2.1 R21#2.1 R22#4.1 R23#3.1 R30.2 U2#3.2 U$1#4.28
Board_1-+5V: D1#4.2 J4.2 J4.5 J9.1 J9.2 J9.3 J9.4 J9.5 J9.6 J9.7 J9.8
Board_1-/Archi/CS1: J6#4.7 U2#3.18
Board_1-/Archi/MISO: IC1.4 J6#4.8 U2#3.21
Board_1-/Archi/READY: J6#4.6 U2#3.25
Board_1-/Archi/RUN: C28#4.2 J4.3 R30.1 U5#2.1
Board_1-/Ethernet/ACTLED: R12#4.2 R18.2 U$1#4.27
Board_1-/Ethernet/CS: IC1.1 J7.1 R16.1 U$1#4.32
Board_1-/Ethernet/DUPLED: R14#2.2 U$1#4.26
Board_1-/Ethernet/GREENLED: J3#3.11 R19#2.1
Board_1-/Ethernet/INTN: J7.2 R17#3.1 U$1#4.36
Board_1-/Ethernet/LINKLED: R13#2.2 R19#2.2 U$1#4.25
Board_1-/Ethernet/MISO: IC1.2 U$1#4.34
Board_1-/Ethernet/MOSI: J6#4.9 U2#3.19 U$1#4.35
Board_1-/Ethernet/RESET: J7.3 R20#2.2 U$1#4.37
Board_1-/Ethernet/RX+: C25#3.2 R26#2.2 U$1#4.6
Board_1-/Ethernet/RX-: C27#2.2 R28#3.2 U$1#4.5
Board_1-/Ethernet/SCK: J6#4.10 U2#3.20 U$1#4.33
Board_1-/Ethernet/TX+: J3#3.1 R27.1 U$1#4.2
Board_1-/Ethernet/TX-: J3#3.2 R25#4.1 U$1#4.1
Board_1-/Ethernet/YELLOWLED: J3#3.10 R18.1
Board_1-/MCU-WiFi/CHIP_PU: C7.1 C11#4.1 R7.1 R10#4.1 U2#3.3 U3#2.2
Board_1-/MCU-WiFi/D+: D7#3.2 J2#2.A6 J2#2.B6 U2#3.14
Board_1-/MCU-WiFi/D-: D6#3.2 J2#2.A7 J2#2.B7 U2#3.13
Board_1-/MCU-WiFi/GPIO0: C12#2.1 J6#4.5 R11#2.1 U2#3.27 U4#3.2
Board_1-AGND: C18#2.2 C19.2 C20#2.2 C21#3.2 C22#3.2 C23#2.2 C24#4.2 C26#2.2 FB2#2.2 R24#2.2 U$1#4.3 U$1#4.9 U$1#4.14 U$1#4.16 U$1#4.19 U$1#4.48
Board_1-AVDD: C19.1 C20#2.1 C21#3.1 C22#3.1 C23#2.1 FB1#3.2 R25#4.2 R27.2 R29#2.2 U$1#4.4 U$1#4.8 U$1#4.11 U$1#4.15 U$1#4.17 U$1#4.21
Board_1-GND: C1#3.2 C2#4.2 C3#4.2 C5#4.2 C6#4.2 C7.2 C8#2.2 C9#2.2 C10.2 C11#4.2 C12#2.2 C13#2.2 C14#4.2 C15.2 C16#2.2 C17#3.2 D3#2.2 D4#2.1 D5#2.1 D6#3.1 D7#3.1 FB2#2.1 IC1.3 J1#3.1 J2#2.A1 J2#2.A12 J2#2.B1 J2#2.B12 J2#2.S1 J3#3.8 J4.6 J4.7 J6#4.4 J8#4.1 J8#4.2 J8#4.3 J8#4.4 J8#4.5 J8#4.6 J8#4.7 J8#4.8 R2#3.1 R3#3.1 R8#3.2 R9#2.2 SJ1#4.2 SJ2#3.2 SJ3.2 U1#4.3 U2#3.1 U2#3.40 U2#3.41 U3#2.1 U4#3.1 U5#2.2 U$1#4.23 U$1#4.29
Board_1-Net-(D4-A): D4#2.2 R6#3.2
Board_1-Net-(D5-A2): D5#2.2 D8#4.2 J2#2.A4 J2#2.A9 J2#2.B4 J2#2.B9
Board_1-Net-(D9-K): D9#4.1 R12#4.1
Board_1-Net-(D10-K): D10#3.1 R13#2.1
Board_1-Net-(D11-K): D11.1 R14#2.1
Board_1-Net-(J2-CC1): J2#2.A5 R9#2.1
Board_1-Net-(J2-CC2): J2#2.B5 R8#3.1
Board_1-Net-(J3-RCT): C26#2.1 J3#3.5 R26#2.1 R28#3.1
Board_1-Net-(J3-RD+): C25#3.1 J3#3.3
Board_1-Net-(J3-RD-): C27#2.1 J3#3.6
Board_1-Net-(J3-TCT): C24#4.1 J3#3.4 R29#2.1
Board_1-Net-(J11-Pin_1): J5#2.1 J11.1
Board_1-Net-(J11-Pin_2): J5#2.2 J11.2
Board_1-Net-(J11-Pin_3): J5#2.3 J11.3
Board_1-Net-(J11-Pin_4): J5#2.4 J11.4
Board_1-Net-(J11-Pin_5): J5#2.5 J11.5
Board_1-Net-(J11-Pin_6): J5#2.6 J11.6
